# Altium PCB 2-quilter-output.pcbdoc (part 6 of 17)
Units mil, origin at the board's own origin, x right, y up, seen from the top; angles counter-clockwise.
Board outline 2728 x 2217 mil, 8 copper layers (L1_TOP, L2_GND, L3_INNER1, L4_GND, L5_PWR, L6_PWR, L7_GND, L8_BOT), stack 48.64 mil thick; 230 components, 327 nets, 1592 pads, 995 vias.
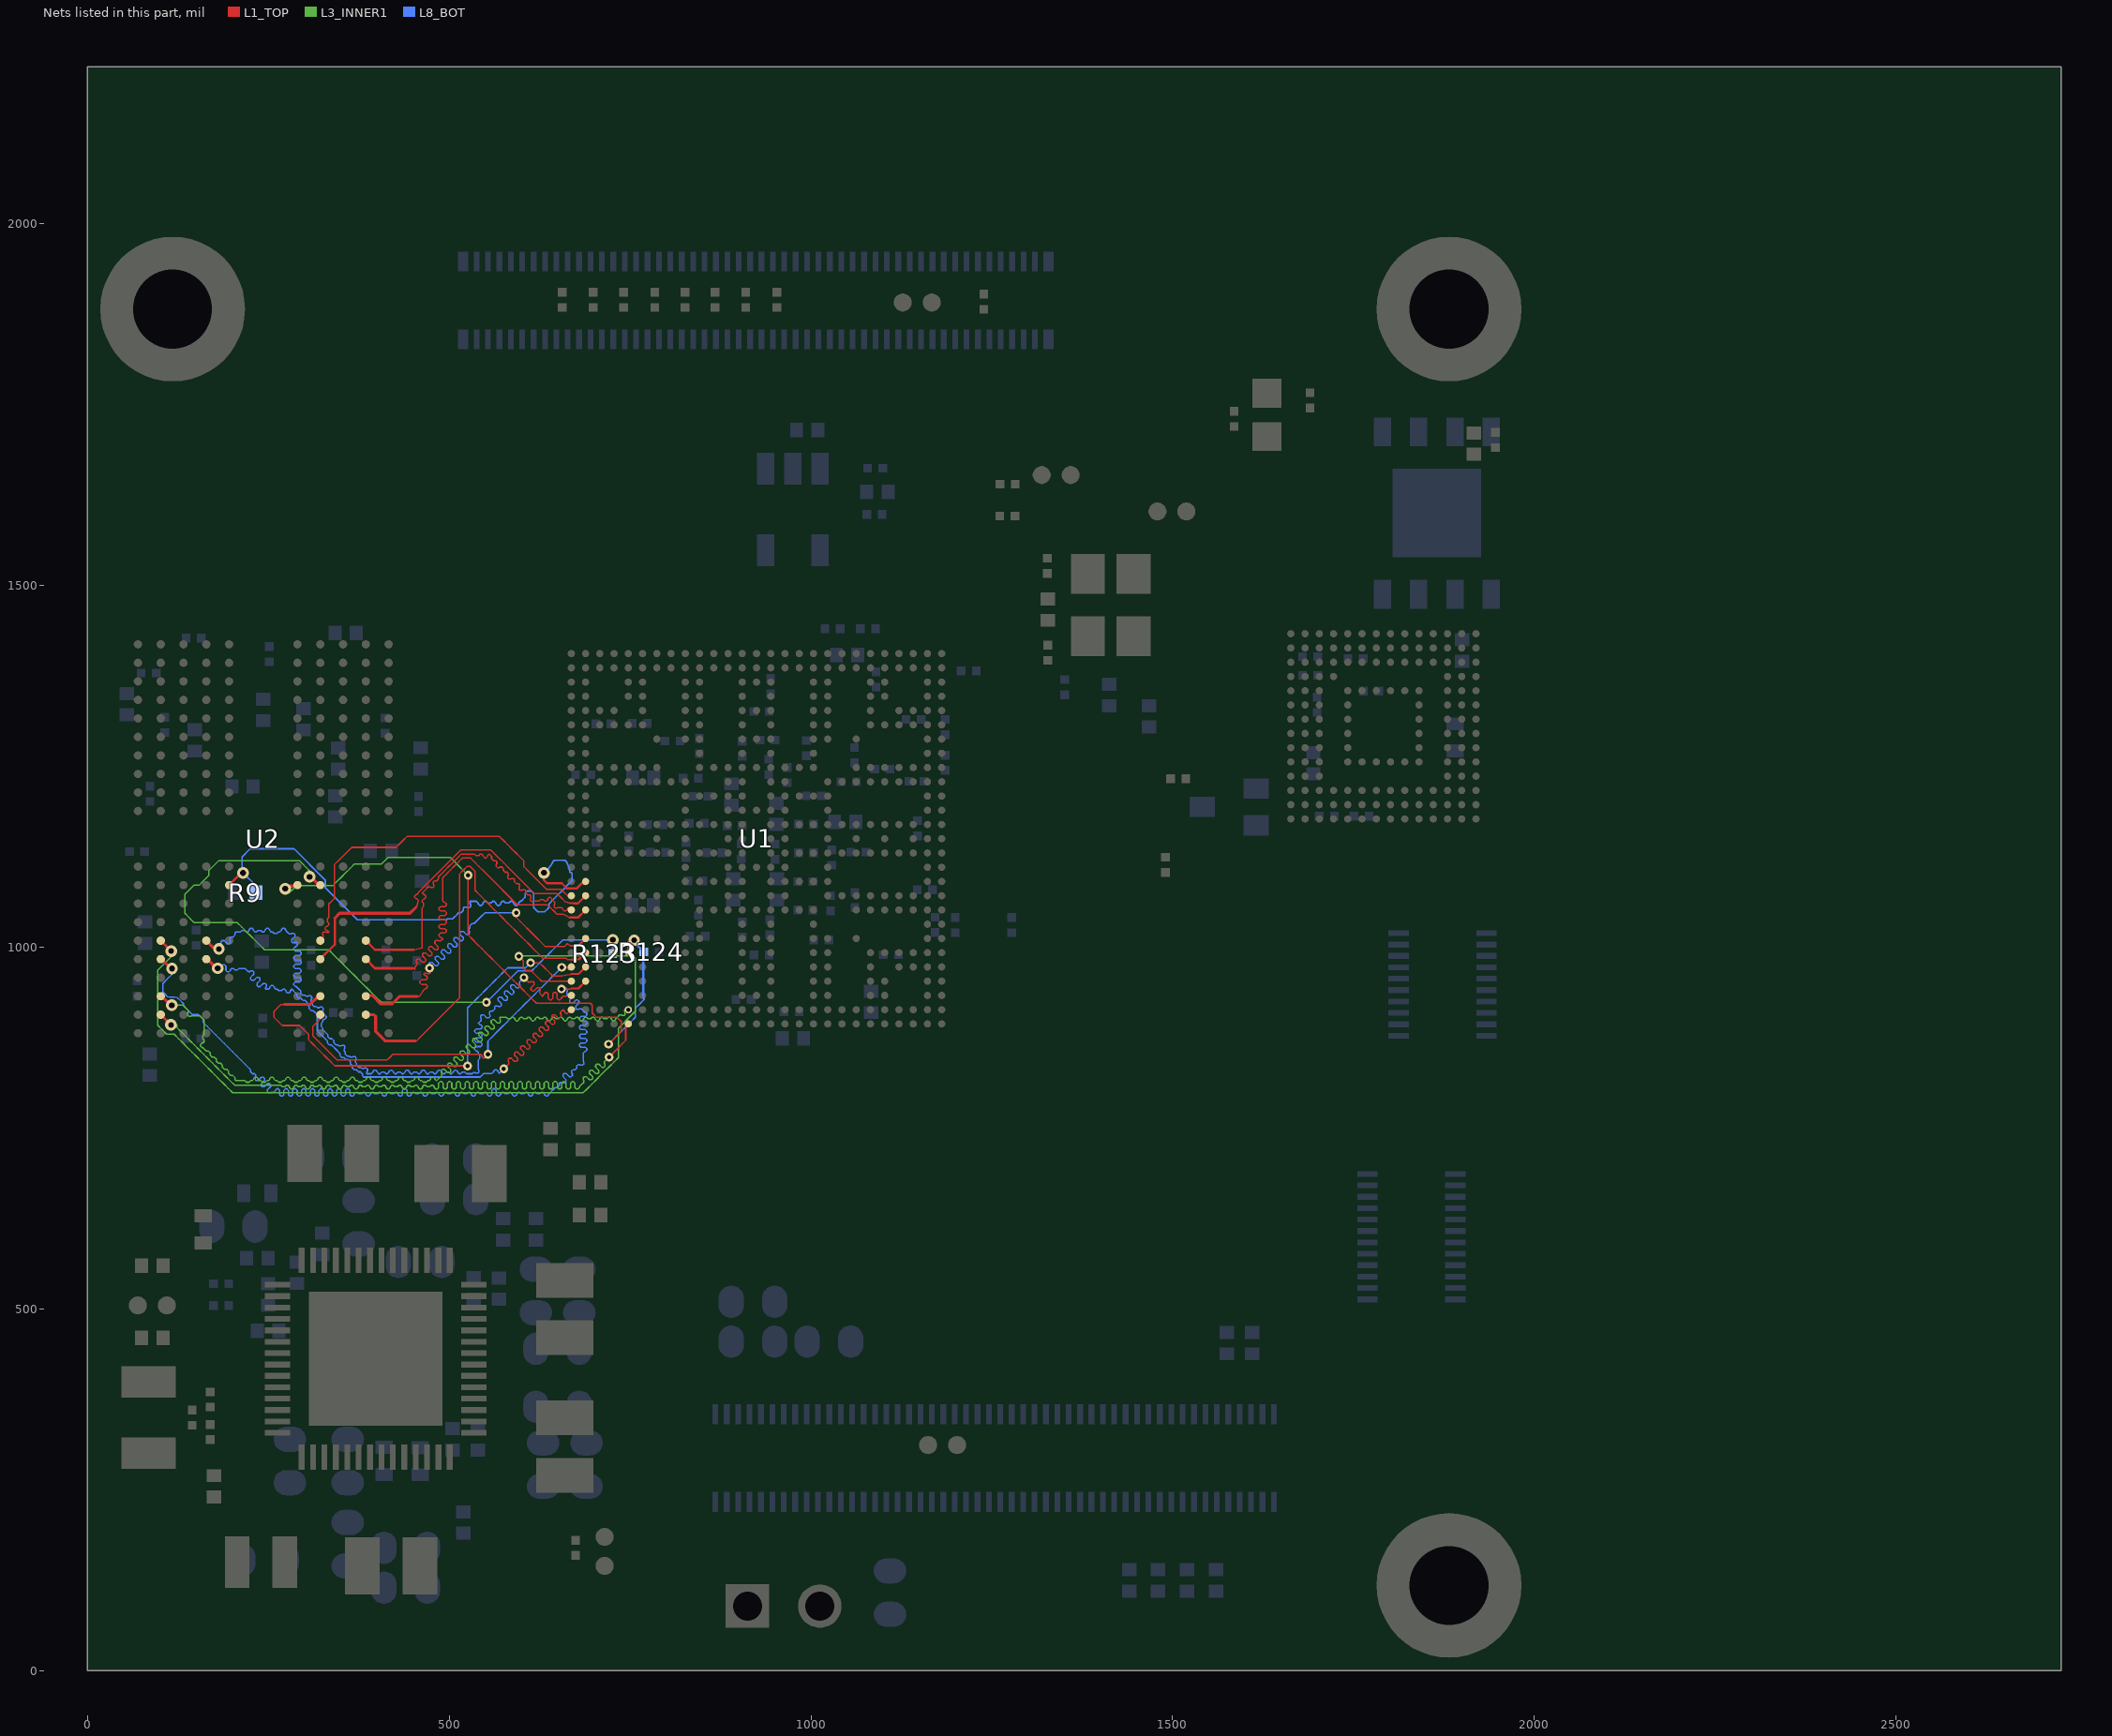
[diagram p12: the nets of this part, all layers, seen from the top]

## Via types
v1: diameter 12.01, hole 5.91, L1_TOP to L8_BOT, tented both sides, 409 vias
v2: diameter 16, hole 8, L1_TOP to L8_BOT, tented both sides, 329 vias
v3: diameter 10, hole 6, L1_TOP to L8_BOT, tented both sides, 205 vias
v4: diameter 16, hole 8, L1_TOP to L8_BOT, tented top, 52 vias

## Nets (pads, with @x,y where several pads share a name; then routed paths per layer and width w, separated by ;. In a path a pad name is that pad's centre, name@x,y a point inside that pad or via, vN(x,y) a via of type N, cw(c..) or ccw(c..) an arc to the next point about the centre after c; other vN are vias at no path point) (continued)
DRAMB_CK_T: R9.1 U1.U2 U2.J8 | length 827.9
  L1_TOP w3: v2(631.14,1102.9) 631.14,1092.65 635.24,1088.55 655.66,1088.55 663.07,1081.14 676.13,1081.14 685.83,1090.84 U1.U2@688.67,1090.84
  L1_TOP w3.3: U2.J8@196.09,1085.92 212.89,1102.72 v2(215.39,1102.72)
  L8_BOT w2.3: R9.1@233.08,1075.75 233.08,1085.03 v2(215.39,1102.72) 214,1104.11 214,1124.73 225.27,1136 286,1136 328.89,1093.11 328.89,1082.6 373.5,1038 496,1038 ; 497.17,1037.99 497.17,1039.1 503.84,1039.11 503.92,1039.11 504,1039.12 504.09,1039.12 504.17,1039.13 504.26,1039.15 504.34,1039.16 504.42,1039.18 504.5,1039.21 504.58,1039.23 504.66,1039.26 504.74,1039.29 504.82,1039.32 504.9,1039.36 504.97,1039.4 505.05,1039.44 505.12,1039.48 505.19,1039.53 505.26,1039.58 505.32,1039.63 505.39,1039.68 505.45,1039.74 505.51,1039.8 ; 505.53,1039.81 511.66,1045.94 513.28,1047.57 516.38,1047.57 519.63,1050.82 519.63,1053.91 521.25,1055.54 524.35,1055.54 525.16,1054.73 528.25,1054.73 529.88,1056.35 529.88,1059.44 529.06,1060.26 529.06,1063.35 538,1063.35 540.19,1061.16 540.19,1060.01 542.37,1057.83 544.67,1057.83 546.86,1060.01 546.86,1061.16 549.04,1063.35 551.34,1063.35 553.53,1061.16 558.13,1061.16 560.31,1063.35 562.61,1063.35 564.8,1061.16 564.8,1060.01 566.99,1057.83 569.29,1057.83 571.47,1060.01 571.47,1061.16 573.66,1063.35 575.96,1063.35 578.14,1061.16 582.74,1061.16 584.93,1063.35 587.23,1063.35 589.41,1061.16 589.41,1060.01 591.6,1057.83 593.9,1057.83 596.09,1060.01 596.09,1061.16 598.27,1063.35 598.36,1063.35 598.44,1063.35 598.53,1063.36 598.61,1063.37 598.69,1063.38 598.78,1063.4 598.86,1063.42 598.94,1063.44 599.02,1063.47 599.1,1063.5 599.18,1063.53 599.26,1063.56 599.33,1063.6 599.41,1063.63 599.48,1063.68 599.55,1063.72 599.63,1063.77 599.69,1063.81 599.76,1063.87 599.83,1063.92 599.89,1063.98 599.95,1064.03 604.59,1068.67 604.65,1068.73 604.71,1068.8 604.76,1068.86 604.81,1068.93 604.86,1069 604.91,1069.07 604.95,1069.14 605,1069.21 605.03,1069.29 605.07,1069.36 605.11,1069.44 605.14,1069.52 605.17,1069.6 605.19,1069.68 605.21,1069.76 605.23,1069.84 605.25,1069.92 605.27,1070.01 605.28,1070.09 605.29,1070.18 605.29,1070.26 605.29,1070.34 605.29,1074.47 608.51,1077.69 613.69,1077.69 616.91,1074.47 616.91,1065.25 616.91,1056.03 616.91,1055.94 616.91,1055.86 616.92,1055.77 616.93,1055.69 616.94,1055.61 616.96,1055.52 616.98,1055.44 617,1055.36 617.03,1055.28 617.05,1055.2 617.09,1055.12 617.12,1055.04 617.15,1054.97 617.19,1054.89 617.23,1054.82 617.28,1054.74 617.33,1054.67 617.37,1054.6 617.43,1054.54 617.48,1054.47 617.53,1054.41 617.59,1054.35 622.23,1049.71 622.29,1049.65 622.36,1049.59 622.42,1049.54 622.49,1049.49 622.56,1049.44 622.63,1049.39 622.7,1049.35 622.77,1049.3 622.85,1049.26 622.92,1049.23 623,1049.19 623.08,1049.16 623.16,1049.13 623.24,1049.11 623.32,1049.08 623.4,1049.06 623.48,1049.05 623.57,1049.03 623.65,1049.02 623.74,1049.01 623.82,1049.01 623.9,1049.01 631.1,1049.01 631.18,1049.01 631.27,1049.01 631.35,1049.02 631.44,1049.03 631.52,1049.04 631.6,1049.06 631.69,1049.08 631.77,1049.1 631.85,1049.13 631.93,1049.15 632.01,1049.18 632.08,1049.22 632.16,1049.25 632.24,1049.29 632.31,1049.33 632.38,1049.38 632.45,1049.42 632.52,1049.47 632.59,1049.52 632.65,1049.58 632.72,1049.63 632.78,1049.69 637.42,1054.33 637.48,1054.39 637.53,1054.45 637.59,1054.52 637.64,1054.59 637.69,1054.65 637.74,1054.72 637.78,1054.8 637.82,1054.87 637.86,1054.94 637.9,1055.02 637.93,1055.1 637.96,1055.18 637.99,1055.26 638.02,1055.34 638.04,1055.42 638.06,1055.5 638.08,1055.58 638.09,1055.67 638.1,1055.75 638.11,1055.83 638.12,1055.92 638.12,1056 638.12,1060.13 644.37,1066.38 650.61,1072.62 656.86,1078.87 663.11,1085.12 669.35,1091.36 669.41,1091.42 669.47,1091.49 669.52,1091.55 669.57,1091.62 669.62,1091.69 669.67,1091.76 669.71,1091.83 669.76,1091.9 669.8,1091.98 669.83,1092.05 669.87,1092.13 669.9,1092.21 669.93,1092.29 669.95,1092.37 669.98,1092.45 670,1092.53 670.01,1092.62 670.03,1092.7 670.04,1092.78 670.05,1092.87 670.05,1092.95 670.05,1093.04 670.05,1100.78 670.05,1100.86 670.05,1100.95 670.04,1101.03 670.03,1101.12 670.02,1101.2 670,1101.28 669.98,1101.36 669.96,1101.45 669.93,1101.53 669.91,1101.61 669.88,1101.69 669.84,1101.76 669.81,1101.84 669.77,1101.91 669.73,1101.99 669.68,1102.06 669.64,1102.13 669.59,1102.2 669.54,1102.27 669.48,1102.33 669.43,1102.4 669.37,1102.46 669.31,1102.52 669.25,1102.57 ; v2@631.13,1101.28 635.55,1106.76 639.97,1112.24 644.24,1118.93 644.31,1119.03 644.36,1119.1 644.41,1119.16 644.47,1119.23 644.53,1119.29 644.58,1119.35 644.65,1119.41 644.71,1119.47 644.77,1119.52 644.84,1119.57 644.91,1119.62 644.98,1119.67 645.05,1119.71 645.13,1119.75 645.2,1119.79 645.28,1119.83 645.36,1119.86 645.44,1119.89 645.52,1119.92 645.6,1119.94 645.68,1119.96 645.76,1119.98 645.84,1120 645.93,1120.01 646.01,1120.02 646.1,1120.03 646.18,1120.04 646.26,1120.04 652.73,1120.04 659.19,1120.04 659.28,1120.03 659.36,1120.03 659.44,1120.02 659.53,1120.01 659.61,1120 659.69,1119.98 659.78,1119.96 659.86,1119.94 659.94,1119.91 660.02,1119.88 660.1,1119.85 660.17,1119.82 660.25,1119.78 660.32,1119.74 660.4,1119.7 660.47,1119.65 660.54,1119.61 660.61,1119.56 660.68,1119.5 660.74,1119.45 660.8,1119.39 660.86,1119.33 662.04,1118.16 662.08,1118.11 662.14,1118.05 662.2,1117.98 662.25,1117.92 662.3,1117.85 662.35,1117.78 662.39,1117.71 662.43,1117.64 662.47,1117.56 662.51,1117.49 664.15,1114.02 664.18,1113.94 664.22,1113.86 666.01,1109.2 ; 666.03,1109.16 666.05,1109.08 666.08,1109 666.1,1108.91 666.12,1108.83 667.2,1103.68 667.25,1103.68 667.34,1103.67 667.42,1103.66 667.5,1103.65 667.59,1103.63 667.67,1103.61 667.75,1103.59 667.83,1103.56 667.91,1103.53 667.99,1103.5 668.07,1103.47 668.14,1103.43 668.22,1103.39 668.29,1103.35 668.36,1103.31 668.43,1103.26 668.5,1103.21 668.57,1103.16 668.63,1103.1 669.22,1102.59
DRAMB_CKE0: R123.2 U1.AB4 U2.J4 | length 972.6
  L1_TOP w3.3: v2(726.29,1010.19) 728.04,1008.44 U1.AB4@728.04,992.42
  L1_TOP w4.1: v4(307.38,1097.29) 309.04,1097.29 320.41,1085.92 U2.J4@322.07,1085.92
  L3_INNER1 w2: v4(307.38,1097.29) 307.38,1105.35 302.6,1110.14 297.81,1114.92 293.03,1119.71 284.48,1119.71 275.93,1119.71 267.38,1119.71 258.83,1119.71 250.27,1119.71 241.72,1119.71 233.17,1119.71 224.62,1119.71 216.07,1119.71 207.52,1119.71 198.97,1119.71 190.42,1119.71 181.87,1119.71 177.35,1115.19 172.83,1110.67 168.31,1106.15 168.31,1099.33 163.76,1094.78 159.2,1090.23 154.65,1085.68 147.27,1085.68 141.09,1079.51 134.92,1073.33 134.92,1064.54 134.92,1055.74 134.92,1046.94 139.19,1042.67 143.47,1038.39 147.74,1034.12 156.26,1034.12 164.77,1034.12 173.29,1034.12 181.8,1034.12 190.32,1034.12 198.83,1034.12 207.35,1034.12 213.64,1027.82 219.94,1021.53 226.23,1015.24 232.52,1008.94 238.81,1002.65 245.11,996.36 253.97,996.36 262.84,996.36 271.71,996.36 280.57,996.36 289.44,996.36 298.3,996.36 307.17,996.36 316.04,996.36 324.9,996.36 333.77,996.36 339.82,990.31 345.86,984.27 351.91,978.22 357.95,972.17 364,966.13 370.05,960.08 376.09,954.03 382.14,947.99 388.19,941.94 394.23,935.89 400.28,929.85 406.33,923.8 415.26,923.8 424.19,923.8 433.13,923.8 442.06,923.8 451,923.8 459.93,923.8 468.86,923.8 477.8,923.8 486.73,923.8 495.66,923.8 504.6,923.8 513.53,923.8 522.47,923.8 531.4,923.8 540.33,923.8 546.01,923.8 v1(551.68,923.8)
  L8_BOT w2: v1(551.68,923.8) 555.04,927.16 558.4,930.52 564.54,936.66 570.68,942.8 576.83,948.95 582.97,955.09 589.11,961.23 595.25,967.37 601.63,967.37 608.01,967.37 614.39,967.37 620.5,973.49 626.62,979.61 632.74,985.73 638.86,991.84 644.98,997.96 651.09,1004.08 657.21,1010.2 665.93,1010.2 674.64,1010.2 683.36,1010.2 692.08,1010.2 700.79,1010.2 709.51,1010.2 718.23,1010.2 v2(726.29,1010.19)
  L8_BOT w3: R123.2@726,989.86 726,1009.9 v2(726.29,1010.19)
DRAMB_CKE1: R124.2 U1.AB5 U2.J5 | length 885.2
  L1_TOP w2: v1(526.43,1099.42) 526.43,1091.17 526.43,1082.92 526.43,1074.67 526.43,1066.42 526.43,1058.17 526.43,1049.92 526.43,1041.67 526.43,1033.42 526.43,1025.17 526.43,1016.92 532.72,1010.63 539,1004.35 545.29,998.06 551.58,991.77 557.86,985.49 564.15,979.2 570.44,972.91 576.72,966.62 583.01,960.34 589.3,954.05 595.58,947.76 601.87,941.48 608.16,935.19 614.44,928.9 620.73,922.62 629.02,922.62 637.32,922.62 645.61,922.62 653.9,922.62 662.2,922.62 670.49,922.62 678.79,922.62 687.08,922.62 695.37,922.62 697.9,920.09 697.9,914.63 697.9,909.17 704.06,903.01 711.1,903.01 718.15,903.01 725.19,903.01 732.23,903.01 737.89,897.35 737.89,890.43 737.89,883.52 732.07,877.7 726.25,871.88 v1(720.43,866.06)
  L1_TOP w3.3: U1.AB5@747.73,992.42 747.72,1006.48 751.02,1009.78 v2(755.89,1009.78)
  L1_TOP w4.1: v2(273.56,1080.83) 276.78,1080.83 280.45,1084.5 289.15,1084.5 U2.J5@290.57,1085.92
  L3_INNER1 w2: v2(273.56,1080.83) 279.25,1075.14 284.17,1080.06 289.09,1084.98 297.46,1084.98 305.83,1084.98 314.2,1084.98 322.57,1084.98 330.94,1084.98 339.31,1084.98 345.3,1090.97 351.29,1096.95 357.28,1102.94 363.26,1108.93 369.25,1114.92 376.73,1114.92 384.21,1114.92 391.7,1114.92 399.18,1114.92 406.66,1114.92 411.38,1119.63 416.09,1124.35 424.63,1124.35 433.18,1124.35 441.72,1124.35 450.26,1124.35 458.8,1124.35 467.34,1124.35 475.88,1124.35 484.42,1124.35 492.96,1124.35 501.5,1124.35 507.73,1118.12 513.97,1111.88 520.2,1105.65 v1(526.43,1099.42)
  L8_BOT w2: v1(720.43,866.06) 726.62,872.25 732.81,878.44 739,884.62 745.18,890.81 751.37,897 757.56,903.19 757.56,909.47 757.56,915.75 763.24,921.43 768.93,927.12 769.29,927.12 769.55,927.47 768.6,930.67
  L8_BOT w3: v2(755.89,1009.78) 755.89,1006.79 768.6,994.08 768.6,932.17
DRAMB_DATA0: U1.AB2 U2.B2 | length 600.6
  L1_TOP w2: 455.2,870.39 458.57,873.93 461.95,877.47 467.77,883.28 473.58,889.1 479.4,894.91 485.21,900.73 491.02,906.54 496.84,912.35 502.65,918.17 508.47,923.98 514.28,929.8 514.28,938.37 514.28,946.93 514.28,955.5 514.28,964.07 514.28,972.63 514.28,981.2 514.28,989.77 514.28,998.33 514.28,1006.9 514.28,1015.47 514.28,1024.04 514.28,1032.6 514.28,1041.17 514.28,1049.74 514.28,1058.3 514.28,1066.87 514.28,1075.44 514.28,1084.01 514.28,1092.57 514.28,1101.14 519.7,1106.56 525.13,1111.98 528.68,1111.98 532.28,1108.38 535.87,1104.79 535.87,1096.09 535.87,1087.38 535.87,1078.68 542.14,1072.41 548.41,1066.14 554.68,1059.87 560.95,1053.61 567.22,1047.34 573.49,1041.07 579.76,1034.8 586.03,1028.53 592.3,1022.26 598.57,1015.99 604.84,1009.72 611.11,1003.45 617.38,997.18 623.65,990.91 629.92,984.64 637.91,984.64 645.9,984.64 653.9,984.64 661.89,984.64 663.94,982.6 667.6,982.91
  L1_TOP w3: 669.09,982.92 674.13,982.92 674.29,983.08 679.33,983.08 U1.AB2@688.67,992.42
  L1_TOP w4.1: U2.B2@385.06,906.79 396.26,906.79 398.66,904.39 398.66,883.83 412.09,870.4 453.16,870.4
DRAMB_DATA1: U1.AA2 U2.C2 | length 519.5
  L1_TOP w2: 458.74,932.01 461.8,936.11 464.85,940.22 464.85,940.64 466.89,942.67 467.89,942.67 469.93,944.71 469.93,946.71 467.89,948.75 461.82,948.75 459.78,950.79 459.78,952.79 461.82,954.83 467.89,954.83 469.93,956.86 469.93,958.86 467.89,960.9 466.89,960.9 464.85,962.94 465.86,963.95 468.74,963.95 469.45,963.24 472.33,963.24 473.75,964.66 473.75,967.54 473.04,968.25 v1(473.04,971.13) ; v1(592.65,1047.47) 592.65,1041.36 598.37,1035.63 604.1,1029.9 609.83,1024.18 615.56,1018.45 621.28,1012.72 627.01,1006.99 632.74,1001.27 639.57,1001.27 646.4,1001.27 653.23,1001.27 660.07,1001.27 663.67,1004.87 667.17,1002.01
  L1_TOP w3: 668.65,1002 678.57,1002 U1.AA2@688.67,1012.1
  L1_TOP w4.1: U2.C2@385.06,932.38 385.79,933.11 394.42,933.11 405.95,921.58 421.03,921.58 431.45,932 456.7,932
  L8_BOT w2: v1(473.04,971.13) 473.04,974.01 472.33,974.71 472.33,977.59 473.75,979.01 476.63,979.01 480.93,974.71 483.81,974.71 485.22,976.13 485.22,979.01 480.93,983.31 480.93,986.19 482.34,987.6 485.22,987.6 489.52,983.31 492.4,983.31 493.81,984.72 493.81,987.6 489.52,991.9 489.52,994.78 490.93,996.19 493.81,996.19 498.11,991.9 500.99,991.9 502.41,993.31 502.41,996.19 498.11,1000.49 498.11,1003.37 499.52,1004.79 502.41,1004.79 506.7,1000.49 509.58,1000.49 511,1001.91 511,1004.79 506.7,1009.08 506.7,1011.96 508.12,1013.38 511,1013.38 515.29,1009.08 518.17,1009.08 519.59,1010.5 519.59,1013.38 515.29,1017.68 515.29,1020.56 516.71,1021.97 519.59,1021.97 523.89,1017.68 526.77,1017.68 528.18,1019.09 528.18,1021.97 527.47,1022.68 527.47,1025.56 528.89,1026.97 528.89,1029.86 531.72,1032.69 534.6,1032.69 536.02,1034.1 540.47,1038.56 544.93,1043.02 549.39,1047.47 558.04,1047.47 566.69,1047.47 575.34,1047.47 583.99,1047.47 v1(592.65,1047.47)
DRAMB_DATA2: U1.W1 U2.F2 | length 485.2
  L1_TOP w2: 452.44,996.22 457.67,997.77 462.9,999.32 462.9,1008.19 462.9,1017.07 462.9,1025.95 462.9,1034.82 462.9,1043.7 462.9,1052.58 462.9,1054.58 464.94,1056.62 464.94,1060.62 462.9,1062.66 462.9,1064.66 464.94,1066.69 465.94,1066.69 467.98,1068.73 467.98,1070.73 465.94,1072.77 464.94,1072.77 462.9,1074.81 467.07,1078.98 471.25,1083.15 474.13,1083.15 474.83,1082.44 477.71,1082.44 479.13,1083.86 479.13,1086.74 478.42,1087.45 478.42,1090.33 479.84,1091.74 482.72,1091.74 485.55,1094.57 485.55,1097.45 486.97,1098.87 491.24,1103.14 495.51,1107.41 499.78,1111.68 504.05,1115.95 508.32,1120.23 512.59,1124.5 516.87,1128.77 521.94,1128.77 527.01,1128.77 533.05,1128.77 535.05,1128.77 537.09,1126.73 541.09,1126.73 543.13,1128.77 545.13,1128.77 547.17,1126.73 547.17,1125.73 549.2,1123.69 551.21,1123.69 553.24,1125.73 553.24,1126.73 555.28,1128.77 557.53,1126.52 558.94,1125.11 558.94,1122.22 561.78,1119.39 564.66,1119.39 566.07,1117.98 566.07,1115.1 565.36,1114.39 565.36,1111.51 566.78,1110.09 569.66,1110.09 570.37,1110.8 573.25,1110.8 574.66,1109.39 574.66,1106.51 577.49,1103.67 580.38,1103.67 581.79,1102.26 581.79,1099.38 581.08,1098.67 581.08,1095.79 582.5,1094.37 585.38,1094.37 586.09,1095.08 588.97,1095.08 590.38,1093.67 590.38,1090.79 593.21,1087.95 596.09,1087.95 597.51,1086.54 597.51,1083.66 596.8,1082.95 596.8,1080.07 598.22,1078.65 601.1,1078.65 601.81,1079.36 604.69,1079.36 606.1,1077.95 606.1,1075.07 608.93,1072.24 611.81,1072.24 613.23,1070.82 613.23,1067.94 612.52,1067.23 612.52,1064.35 613.94,1062.94 616.82,1062.94 617.53,1063.64 620.41,1063.64 622.25,1063.64 624.25,1063.64 626.29,1065.68 630.29,1065.68 632.33,1063.64 634.33,1063.64 636.37,1065.68 636.37,1066.68 638.4,1068.72 640.4,1068.72 642.44,1066.68 642.44,1065.68 644.48,1063.64 645.9,1062.22 645.9,1059.34 645.2,1058.63 645.2,1055.75 646.61,1054.33 649.49,1054.33 650.2,1055.04 653.08,1055.04 655.26,1055.04 657.3,1053 657.3,1052 659.34,1049.96 661.34,1049.96 663.38,1052 663.38,1053 665.41,1055.04 U1.W1@668.98,1051.48
  L1_TOP w3.3: U2.F2@385.06,1009.15 398,996.21 450.79,996.21
DRAMB_DATA3: U1.W2 U2.E2 | length 571.9
  L1_TOP w2: 450.83,970.91 453.23,969.25 452.03,971.19 455.49,975.71 455.49,978.59 454.78,979.3 454.78,982.18 456.2,983.59 459.08,983.59 463.38,979.3 466.26,979.3 467.67,980.71 467.67,983.59 463.38,987.89 463.38,990.77 464.79,992.19 467.67,992.19 471.97,987.89 474.85,987.89 476.26,989.3 476.26,992.19 471.97,996.48 471.97,999.36 473.38,1000.78 476.26,1000.78 480.56,996.48 483.44,996.48 484.86,997.9 484.86,1000.78 480.56,1005.07 480.56,1007.95 481.98,1009.37 484.86,1009.37 485.56,1008.66 488.45,1008.66 491.23,1011.45 489.19,1013.48 488.19,1013.48 486.16,1015.52 486.16,1017.52 488.19,1019.56 494.27,1019.56 496.31,1021.6 496.31,1023.6 494.27,1025.64 488.19,1025.64 486.16,1027.67 486.16,1029.67 488.19,1031.71 494.27,1031.71 496.31,1033.75 496.31,1035.75 494.27,1037.79 488.19,1037.79 486.16,1039.82 486.16,1041.83 488.19,1043.86 494.27,1043.86 496.31,1045.9 496.31,1047.9 494.27,1049.94 488.19,1049.94 486.16,1051.97 486.16,1053.98 488.19,1056.01 494.27,1056.01 496.31,1058.05 496.31,1060.05 494.27,1062.09 493.27,1062.09 491.23,1064.13 491.23,1072.1 491.23,1080.08 491.23,1088.06 491.23,1096.04 496.66,1101.47 502.08,1106.89 507.51,1112.32 512.94,1117.75 518.36,1123.17 524.11,1123.17 529.85,1123.17 535.71,1117.31 541.57,1111.45 547.44,1105.58 553.3,1099.72 559.16,1093.86 565.03,1087.99 570.89,1082.13 576.75,1076.27 582.62,1070.4 588.48,1064.54 594.34,1058.68 602.7,1058.68 611.06,1058.68 619.42,1058.68 627.78,1058.68 636.14,1058.68 640.44,1054.38 644.74,1050.08 649.04,1045.78 657.4,1045.78 661.71,1043.54 666.02,1041.3
  L1_TOP w3: 667.52,1041.29 672.91,1041.29 673.21,1041 678.19,1041 U1.W2@688.67,1051.48
  L1_TOP w3.3: U2.E2@385.06,983.56 397.72,970.9 449.18,970.9
DRAMB_DATA4: U1.V2 U2.E4 | length 496.3
  L1_TOP w2: 455.45,1056.46 457.73,1064.84 455.69,1066.88 454.69,1066.88 452.65,1068.92 452.65,1070.92 454.69,1072.96 455.69,1072.96 457.73,1074.99 457.73,1075.98 463.59,1081.84 469.44,1087.7 475.3,1093.55 481.16,1099.41 487.01,1105.27 492.87,1111.13 498.73,1116.98 504.59,1122.84 510.44,1128.7 516.3,1134.55 524.55,1134.55 532.8,1134.55 541.05,1134.55 549.3,1134.55 557.55,1134.55 563.57,1128.54 569.59,1122.52 575.61,1116.5 581.62,1110.48 587.64,1104.46 593.66,1098.45 599.68,1092.43 605.7,1086.41 611.71,1080.39 617.73,1074.37 625.55,1074.37 633.37,1074.37 641.18,1074.37 649,1074.37 654.5,1068.87 660,1063.37 663.66,1061.92 666.02,1060.98
  L1_TOP w3: 667.52,1060.97 672.91,1060.97 673.21,1060.68 678.19,1060.68 U1.V2@688.67,1071.16
  L1_TOP w3.3: U2.E4@322.07,983.56 342.1,1003.6 342.1,1040.19
  L1_TOP w4.1: 342.1,1040.19 348.91,1047 446,1047 454,1055
DRAMB_DATA5: U1.V1 U2.F4 | length 507.5
  L1_TOP w2: U2.F4@322.09,1009.13 326.16,1013.23 326.16,1016.11 325.45,1016.82 325.45,1019.7 326.87,1021.11 329.75,1021.11 330.46,1020.4 333.34,1020.4 333.95,1021.02 331.92,1023.06 330.92,1023.06 328.88,1025.09 328.88,1027.1 330.92,1029.13 331.92,1029.13 333.95,1031.17 333.95,1033.17 331.92,1035.21 331.92,1039.21 333.95,1041.25 333.95,1043.25 333.95,1051.52 333.95,1059.8 337.68,1063.52 341.4,1067.24 341.4,1075.01 341.4,1082.78 341.4,1090.55 341.4,1098.31 341.4,1106.08 341.4,1113.85 347.43,1119.88 353.46,1125.92 359.5,1131.95 365.53,1137.98 374.28,1137.98 383.03,1137.98 391.78,1137.98 400.54,1137.98 409.29,1137.98 418.04,1137.98 426.79,1137.98 431.8,1142.99 436.81,1148 441.82,1153.01 450.34,1153.01 458.87,1153.01 467.4,1153.01 475.92,1153.01 484.45,1153.01 492.98,1153.01 501.5,1153.01 510.03,1153.01 518.56,1153.01 527.08,1153.01 535.61,1153.01 544.14,1153.01 552.66,1153.01 561.19,1153.01 569.72,1153.01 575.34,1147.38 580.96,1141.76 586.59,1136.14 592.21,1130.51 597.83,1124.89 603.46,1119.27 603.46,1111.34 609.71,1105.09 615.96,1098.84 622.22,1092.58 628.47,1086.33 634.72,1080.07 641.49,1080.07 648.26,1080.07 655.02,1080.07 659.48,1075.62 663.94,1071.16 U1.V1@668.98,1071.16
DRAMB_DATA6: U1.AC1 U2.B4 | length 476.2
  L1_TOP w2: U2.B4@322.07,906.79 322.07,900.98 316.89,895.81 311.72,890.64 311.72,884.17 311.72,877.7 317.26,872.15 322.81,866.61 328.35,861.07 333.89,855.52 339.44,849.98 344.98,844.44 353.71,844.44 362.44,844.44 371.17,844.44 379.9,844.44 388.63,844.44 397.36,844.44 406.09,844.44 414.82,844.44 418.58,848.2 422.35,851.97 430.95,851.97 439.56,851.97 448.16,851.97 456.77,851.97 465.37,851.97 473.98,851.97 482.58,851.97 491.19,851.97 499.79,851.97 508.39,851.97 517,851.97 525.6,851.97 534.21,851.97 542.81,851.97 543.62,851.97 545.65,849.93 545.65,848.93 547.69,846.89 549.69,846.89 551.73,848.93 551.73,849.93 v1(553.76,851.97) ; v1(655.62,972.21) 662.4,972.21 665.41,969.19 U1.AC1@668.98,972.74